# KiCad board sswkbd_wiring.kicad_pcb (continued)
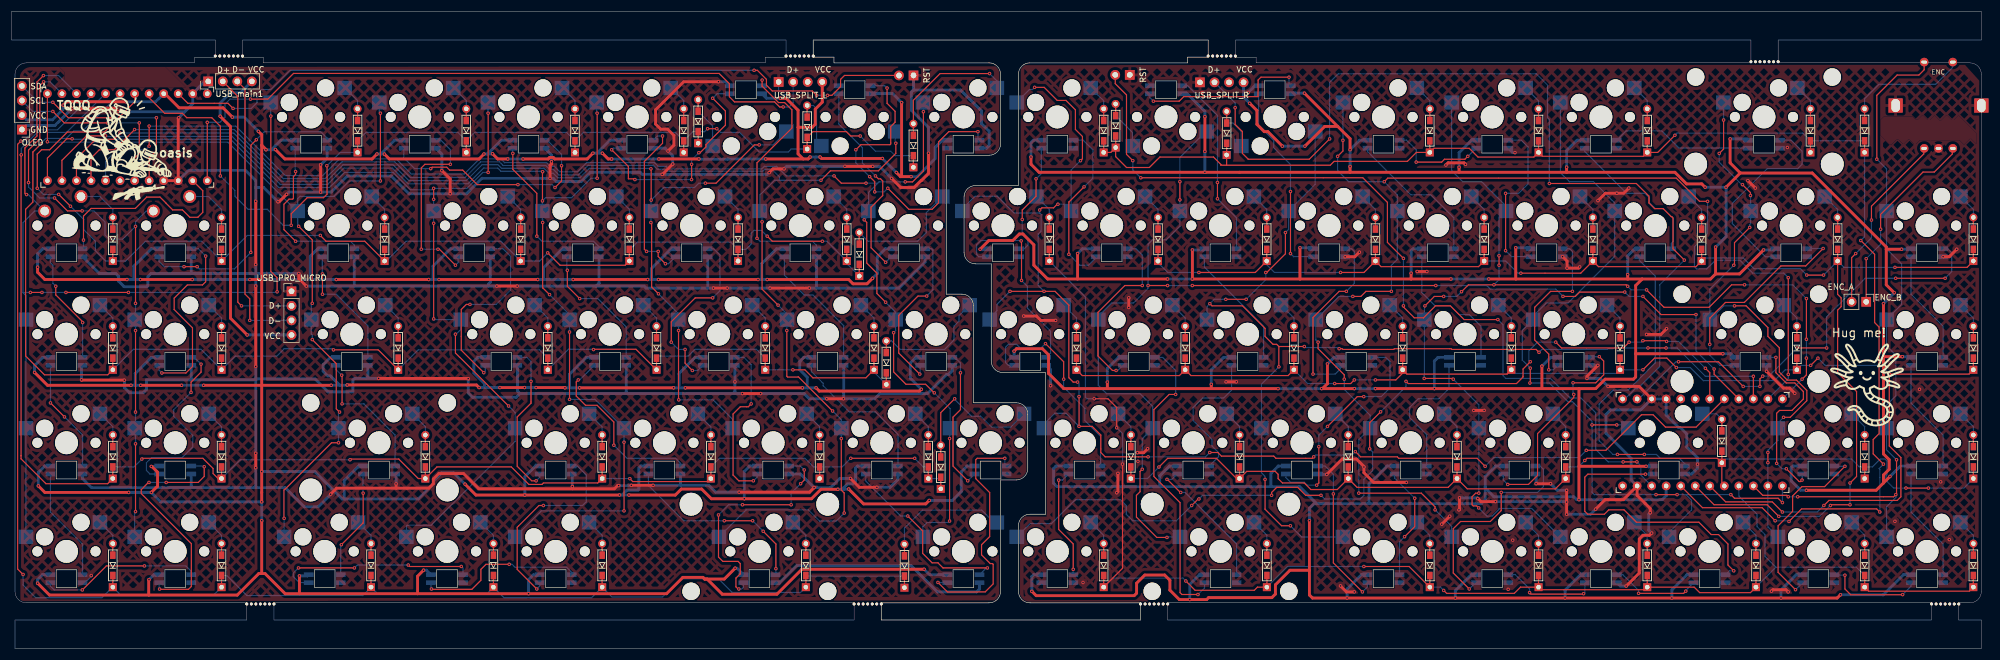
[diagram p0: board, top side]
## Routing (per net, layer and track width the routed paths; a pad name or vN(x,y) marks a point on that pad's centre or on a via; arc(x,y) is an arc through that point) (continued)
col4: length 210
  Top w0.2: v1(92.84,74.53) 92.84,63.1 92.86,63.1 v1(94.04,61.92) ; v1(107.06,24.09) 107.06,36.15 ; v1(92.84,83.42) 92.81,83.39 v1(92.81,78.31) ; 102.36,82.23 v1(102.36,93.66) ; v1(16.45,89.69) 13.1,89.69 8.83,85.41 U1.11 ; v1(97.54,43.59) 97.54,55.41
  Bottom w0.2: v1(92.84,74.53) 92.84,75.04 92.78,75.09 92.78,78.29 v1(92.81,78.31) 93.37,78.87 97.89,78.87 101.3,82.28 v1(102.36,82.28) ; v1(107.06,36.1) 107.06,36.1 107.06,38.51 101.98,43.59 v1(97.54,43.59) ; v1(94.04,61.92) 97.53,58.43 97.53,55.89 97.54,55.89 v1(97.54,55.38) ; v1(16.45,89.69) 16.54,89.6 38.58,89.6 44.11,84.07 44.12,84.07 46.98,81.21 55.28,81.21 58.13,84.06 66.58,84.06 69.33,81.31 79.83,81.31 80.03,81.51 80.03,81.56 82.53,84.06 84.98,84.06 85.54,83.5 92.76,83.5 v1(92.84,83.42) ; 88.06,19.51 88.06,19.54 92.61,24.09 v1(107.06,24.09) ; v1(102.36,93.66) 102.28,93.74 SW4.1
col5: length 198.4
  Top w0.2: v1(130.68,88.11) 129.83,88.11 123.13,81.42 v1(121.29,81.42) ; v1(116.63,43.51) 116.59,43.55 116.59,55.66 ; v1(111.76,83.93) 111.81,83.88 v1(111.81,78.46) ; v1(111.76,74.53) 111.89,74.41 111.89,63.23 111.91,63.23 v1(113.08,62.06) ; U1.10 11.37,85.73 14.72,89.09 17.88,89.09 v1(18.98,90.2)
  Bottom w0.2: v1(121.29,81.42) 120.14,81.42 119.38,80.65 114.01,80.65 v1(111.81,78.46) 111.78,78.43 111.78,74.56 v1(111.76,74.53) ; v1(111.76,83.93) 111.68,84.01 100.98,84.01 99.33,82.36 95.48,82.36 94.68,83.16 93.95,83.16 93.09,84.02 85.67,84.02 85.05,84.64 82.26,84.64 79.48,81.86 69.48,81.86 66.69,84.64 57.98,84.64 55.09,81.76 47.18,81.76 44.32,84.61 44.32,84.7 38.83,90.2 v1(18.98,90.2) ; 135.48,90.46 SW5.1 133.11,88.11 v1(130.68,88.11) ; v1(116.63,43.51) 122.64,43.51 126.03,40.12 SW54.1 ; v1(116.59,55.63) 116.59,57.51 116.56,57.54 116.56,58.58 v1(113.08,62.06)
col6: length 255.7
  Top w0.2: 145.54,27.21 145.03,27.72 v1(145.03,36.74) ; v1(141.48,81.92) 143.13,83.57 151.51,83.57 154.56,86.62 v1(154.56,88.4) ; v1(135.51,55.63) 135.51,47.63 135.64,47.51 137.54,47.51 ; v1(133.99,60.08) 131.19,62.87 ; U1.9 13.91,85.81 15.36,87.26 17.99,87.26 v1(21.52,90.8) ; 131.19,62.85 v1(131.19,74.66) ; v1(145.54,23.71) 145.54,27.26 ; 137.54,47.53 v1(143.51,41.56)
  Bottom w0.2: v1(145.54,23.71) 144.14,22.31 141.22,22.31 139.27,24.27 128.38,24.27 123.66,19.54 123.66,19.51 ; v1(143.51,41.56) 145.03,40.04 v1(145.03,36.74) ; SW6.1 154.45,88.51 v1(154.56,88.4) ; 134.24,81.92 133.38,81.92 130.81,79.36 130.81,76.56 131.19,76.18 v1(131.19,74.66) ; 134.24,81.92 v1(141.48,81.92) ; 134.24,81.92 134.23,81.93 134.23,82.51 132.88,83.86 131.68,83.86 131.33,83.51 114.48,83.51 114.28,83.71 114.28,83.86 112.88,83.86 112.2,84.53 112.2,84.53 100.78,84.53 99.11,82.86 95.68,82.86 94.68,83.86 94.03,83.86 93.38,84.51 85.92,84.51 85.28,85.15 82.02,85.15 79.28,82.41 69.72,82.41 66.98,85.15 57.77,85.15 54.83,82.21 47.52,82.21 38.93,90.8 v1(21.52,90.8) ; v1(135.51,55.63) 135.51,58.56 v1(133.99,60.08)
col7: length 250.1
  Top w0.2: v1(149.03,75) 149.48,74.56 149.48,67.45 151.26,65.67 151.26,62.11 v1(152.78,60.59) ; 161.29,44.71 159.77,46.24 156.34,46.24 154.18,48.4 v1(154.18,55.25) ; 159.38,83.55 157.48,81.64 v1(156.21,81.64) ; 159.38,83.5 v1(159.38,93.91) ; v1(24.06,91.4) v1(24.06,87.89) ; v1(149.35,81.42) 145.03,81.42 v1(143.76,82.69) ; v1(163.96,22.31) 163.96,36.79
  Bottom w0.2: v1(149.03,75) 149.78,75.75 SW23.1 149.81,76.56 149.81,79.82 151.4,81.4 ; v1(154.18,55.25) 154.53,55.61 154.53,58.84 v1(152.78,60.59) ; v1(159.38,93.91) 159.38,95.46 159.31,95.54 159.31,95.56 ; 151.4,81.4 149.36,81.4 v1(149.35,81.42) ; 151.4,81.4 151.64,81.64 v1(156.21,81.64) ; v1(24.06,91.4) 39.19,91.4 47.83,82.76 54.33,82.76 54.38,82.71 57.33,85.66 67.23,85.66 69.88,83.01 79.13,83.01 81.78,85.66 85.53,85.66 86.18,85.01 93.53,85.01 94.18,84.36 94.88,84.36 95.83,83.41 98.93,83.41 100.53,85.01 112.38,85.01 113.03,84.36 114.53,84.36 114.53,84.18 114.79,83.91 131.13,83.91 131.58,84.36 133.73,84.36 135.4,82.69 v1(143.76,82.69) ; v1(163.96,22.31) 163.7,22.05 160.02,22.05 159.28,21.32 SW71.1 ; v1(163.96,36.74) 163.96,38.41 164.06,38.51 164.06,41.97 v1(161.29,44.74) ; v1(24.06,87.89) 23.43,87.26 18.48,87.26 16.45,85.23 U1.8
col_r_0: length 159.3
  Top w0.2: v1(206.27,25.03) 207.41,26.17 v1(207.54,26.17) ; v1(296.06,49.03) 296.82,48.27 U2.7 ; v1(243.73,46.74) 244.11,46.36 263.04,46.36 264.18,47.51 264.18,48.9 v1(265.45,50.17) ; v1(239.29,41.41) 237.38,39.51 v1(237.38,34.93) ; v1(285.13,53.86) 289.15,53.86 v1(289.28,53.73) ; v1(228.87,26.81) 226.21,26.81 224.81,28.2 221.13,28.2 220.24,27.31 v1(220.24,26.81) ; v1(282.72,53.6) 281.7,52.59 270.91,52.59 v1(269.89,53.6)
  Bottom w0.2: v1(239.29,41.41) 243.73,45.86 v1(243.73,46.74) ; v1(207.54,26.17) 208.17,26.81 v1(220.24,26.81) ; v1(228.87,26.81) 229.51,26.17 235.73,26.17 236.37,26.81 236.37,29.6 237.89,31.12 237.89,34.43 v1(237.38,34.93) ; v1(282.72,53.6) 284.88,53.6 v1(285.13,53.86) ; 176.08,19.51 176.08,19.91 178.02,21.85 181.76,21.85 185.95,26.04 193.82,26.04 194.84,25.03 194.84,23.5 195.98,22.36 203.6,22.36 v1(206.27,25.03) ; v1(296.06,49.03) 291.36,53.73 v1(289.28,53.73) ; v1(265.45,50.17) 265.19,50.43 265.19,52.08 266.72,53.6 v1(269.89,53.6)
col_r_1: length 243.3
  Top w0.2: v1(178.82,98.18) 180.49,98.18 182.77,95.89 184.3,95.89 185.95,94.24 185.95,90.81 187.18,89.58 187.18,85.69 v1(186.84,85.35) ; U2.8 294.43,38.74 289.07,38.74 286.91,40.9 284.88,40.9 278.66,34.68 v1(275.23,34.68) ; v1(174.52,62.49) 182.39,62.49 184.8,60.08 184.8,47.38 185.57,46.62 v1(186.33,46.62) ; v1(198.65,33.54) 191.15,33.54 190.39,34.3 190.39,37.35 188.87,38.87 v1(186.58,38.87) v1(186.58,44.08) ; v1(234.88,34.46) 235.8,33.54 242.21,33.54 242.46,33.28 256.16,33.28 v1(257.56,31.89) ; v1(182.9,77.73) 182.77,77.73 182.14,77.1 180.09,77.1 v1(179.7,76.72) ; v1(209.44,34.3) 210.84,34.3 211.47,33.66 220.62,33.66 221,33.28 227.35,33.28 v1(227.6,33.54)
  Bottom w0.2: v1(186.58,38.87) 184.3,41.16 182.34,41.16 180.78,39.59 180.78,38.51 ; 179.7,76.21 179.96,75.95 179.96,73.03 179.45,72.53 179.45,63.51 v1(180.47,62.49) ; 179.7,76.21 179.69,76.19 175.23,76.19 172.29,79.13 168.42,79.13 166.53,77.24 166.53,76.56 ; 179.7,76.21 v1(179.7,76.72) ; v1(186.84,85.35) 185.21,83.72 SW25.1 184.01,77.73 v1(182.9,77.73) ; v1(198.65,33.54) 208.68,33.54 v1(209.44,34.3) ; v1(186.58,44.08) 186.58,46.36 v1(186.33,46.62) ; v1(178.82,98.18) 178.44,97.8 177.93,97.8 176.09,95.96 ; 171.28,57.54 171.28,58.14 172.23,59.09 172.23,60.21 v1(174.52,62.49) ; 299.36,43.19 U2.8 ; v1(257.56,31.89) 259.08,33.41 273.96,33.41 v1(275.23,34.68) ; v1(234.88,34.46) 234.28,33.86 227.93,33.86 v1(227.6,33.54)
col_r_2: length 213.2
  Top w0.2: v1(281.96,62.37) 274.08,62.37 273.32,61.6 v1(271.16,61.6) ; v1(285.13,61.6) 288.31,58.43 v1(294.4,58.43) ; v1(206.38,63.51) v1(248.94,63.51) ; U2.9 297.58,47.99 v1(297.58,48.9) ; v1(197.63,31.38) 197.25,31 197.25,27.44 196.62,26.81 196.62,23 200.17,19.44 v1(201.95,19.44) ; v1(198.65,63.51) v1(202.06,63.51) ; v1(204.21,81.67) v1(204.21,78.49)
  Bottom w0.2: v1(281.96,62.37) 282.72,61.6 v1(285.13,61.6) 285.01,61.6 ; v1(248.94,63.51) 257.83,63.51 258.46,62.87 269.89,62.87 v1(271.16,61.6) ; v1(204.21,81.67) 204.21,85.91 208.75,90.46 208.85,90.46 208.85,90.48 ; v1(297.58,48.9) 294.4,52.08 v1(294.4,58.43) ; v1(206.38,63.51) v1(202.06,63.51) ; v1(197.63,31.38) 197.63,36.69 199.46,38.51 199.46,42.38 197.25,44.59 191.41,44.59 189.96,46.04 SW42.1 189.96,58.12 192.3,60.46 196.11,60.46 198.65,63 v1(198.65,63.51) 198.65,70.75 199.41,71.51 201.82,71.51 204.21,73.89 v1(204.21,78.49) ; v1(201.95,19.44) 202.05,19.54 SW73.1
col_r_3: length 195.5
  Top w0.2: 221.51,52.84 221.13,53.22 220.49,53.22 219.09,54.62 219.09,56.02 215.16,59.95 209.82,59.95 v1(209.44,60.33) ; 221.51,52.84 v1(225.95,52.84) ; 221.51,52.84 v1(221.51,49.28) ; v1(219.22,65.79) 219.38,65.79 222.65,69.06 v1(222.65,72.78) ; v1(212.24,61.1) v1(215.79,61.1) ; v1(266.97,51.82) 266.46,52.33 251.73,52.33 251.61,52.46 241.7,52.46 241.57,52.33 232.68,52.33 232.56,52.46 v1(232.05,52.46) ; v1(223.53,21.48) 221.99,21.48 219.09,24.37 v1(219.09,29.6) ; v1(286.02,52.59) v1(289.18,52.59) ; v1(304.44,47.63) U2.10
  Bottom w0.2: 232.68,19.54 232.69,19.54 SW74.1 232.68,19.51 225.5,19.51 v1(223.53,21.48) ; v1(222.65,72.78) 223.21,73.34 223.21,76.56 227.85,81.21 227.85,90.46 ; v1(212.24,61.1) 210.2,61.1 v1(209.44,60.33) 208.96,59.85 SW43.1 ; v1(286.02,52.59) 280.05,52.59 279.93,52.46 279.04,52.46 278.91,52.33 267.48,52.33 v1(266.97,51.82) ; v1(232.05,52.46) 231.85,52.66 226.14,52.66 v1(225.95,52.84) ; v1(219.09,29.6) 219.09,30.11 218.46,30.75 218.46,46.23 v1(221.51,49.28) ; v1(304.44,47.63) 296.06,47.63 291.1,52.59 v1(289.18,52.59) ; v1(219.22,65.79) 219.22,64.52 v1(215.79,61.1)
col_r_4: length 225
  Top w0.2: v1(234.44,61.6) 235.84,61.6 236.73,62.49 v1(241.17,62.49) ; v1(239.92,81.67) 240.56,82.3 290.96,82.3 295.02,78.24 v1(296.44,78.24) ; v1(232.71,88.91) 232.71,87.05 v1(231.77,86.11) ; v1(310.53,64.89) v1(310.53,47.96) ; v1(235.48,27.19) 246.4,27.19 248.81,24.77 v1(248.81,24.27) ; v1(228.37,53.6) 228.37,52.46 232.94,47.89 v1(232.94,47.13)
  Bottom w0.2: v1(232.71,88.91) SW11.1 ; v1(228.37,53.6) 227.96,54.01 SW44.1 232.02,61.6 v1(234.44,61.6) ; 251.71,19.51 251.71,21.37 v1(248.81,24.27) ; v1(296.44,78.24) 296.44,72.6 294.13,70.3 294.13,66.81 294.51,66.43 296.29,66.43 297.8,67.93 302.06,67.93 304.33,65.67 309.75,65.67 v1(310.53,64.89) ; U2.11 310.53,47.23 v1(310.53,47.96) ; v1(235.48,27.19) 235.48,36.54 237.46,38.51 237.46,40.81 232.94,45.33 v1(232.94,47.13) ; v1(241.17,62.49) 241.17,67.05 242.21,68.08 242.21,79.39 v1(239.92,81.67) 233.7,81.67 231.77,83.59 v1(231.77,86.11)
col_r_5: length 192.8
  Top w0.2: v1(285.77,62.75) 288.82,59.7 296.69,59.7 300.63,63.64 v1(302.89,63.64) ; v1(253.43,62.43) 254.63,63.64 v1(259.1,63.64) 282.21,63.64 v1(282.47,63.38) ; v1(313.71,61.22) v1(313.71,54.11) ; v1(313.71,50.81) 313.71,47.89 v1(312.95,47.13) ; v1(250.32,61.6) 248.69,61.6 v1(247.03,59.95) ; v1(246.91,47.25) 251.86,47.25 v1(251.99,47.13) ; v1(256.43,24.6) 256.07,24.96 255.48,24.96 255.28,25.16 255.28,26.56 255.9,27.19 v1(256.46,27.19) ; v1(259.99,67.06) v1(259.99,68.72)
  Bottom w0.2: v1(259.99,67.06) 259.99,64.52 v1(259.1,63.64) ; v1(302.89,63.64) 311.3,63.64 v1(313.71,61.22) ; v1(246.91,47.25) 246.91,47.76 246.96,47.81 SW45.1 246.96,59.87 v1(247.03,59.95) ; v1(313.71,54.11) v1(313.71,50.81) ; v1(259.99,68.72) 259.99,75.35 261.21,76.56 261.21,77.4 256.94,81.67 253.64,81.67 251.71,83.6 251.71,95.56 ; v1(256.43,24.6) 257.87,23.16 258.78,23.16 259.98,24.36 259.98,24.52 265.7,24.52 270.68,19.54 SW76.1 ; v1(285.77,62.75) 283.1,62.75 v1(282.47,63.38) ; v1(251.99,47.13) 256.46,42.66 v1(256.46,27.19) ; v1(250.32,61.6) 252.6,61.6 v1(253.43,62.43) ; U2.12 312.95,47.1 v1(312.95,47.13) ; 270.71,19.51 270.71,20.38
col_r_6: length 144.1
  Top w0.2: v1(291.1,26.93) v1(287.42,26.93) ; v1(309.52,25.54) 308.76,26.3 301.14,26.3 v1(300.5,26.93) ; v1(276.24,39.12) v1(280.56,39.12) ; v1(265.45,49.06) 265.45,46.53 v1(265.38,46.46)
  Bottom w0.2: 289.71,19.51 289.71,20.33 293.64,24.27 293.64,25.92 292.63,26.93 ; 282.61,38.54 SW62.1 282,39.12 v1(280.56,39.12) ; v1(309.52,25.54) U2.13 ; 292.63,26.93 v1(300.5,26.93) ; 292.63,26.93 v1(291.1,26.93) ; v1(287.42,26.93) 276.62,26.93 276.24,27.31 v1(276.24,39.12) 276.24,39.76 272.81,43.19 272.03,43.19 268.76,46.46 v1(265.38,46.46) ; v1(265.45,49.06) 264.05,50.46 264.05,55.64 SW46.1 265.96,58.17 268.24,60.46 272.05,60.46 280.21,68.61 280.21,77.96 276.5,81.67 272.31,81.67 270.71,83.27 270.71,95.56
col_r_7: length 100.9
  Top w0.2: v1(298.47,86.62) 299.23,87.38 v1(299.23,92.46) ; v1(301.01,67.06) 301.14,67.19 301.14,71 v1(303.8,73.67) ; v1(303.93,79.26) 303.93,79.76 v1(302.53,81.16) ; v1(301.14,59.95) 303.17,59.95 306.98,56.14 306.98,54.62 308.97,52.62 308.97,48.36 310.38,46.96 311.98,46.96 313.78,45.16 313.78,43.36 310.88,40.46 v1(309.71,40.46) ; v1(306.98,32.52) v1(306.98,34.3)
  Bottom w0.2: v1(309.71,40.46) 308.71,39.46 308.71,36.41 306.98,34.68 v1(306.98,34.3) ; v1(303.8,73.67) 303.8,74.18 303.96,74.33 303.96,79.23 v1(303.93,79.26) ; v1(301.14,59.95) 299.27,59.95 296.86,57.54 296.83,57.54 296.83,62.89 v1(301.01,67.06) ; v1(306.98,32.52) U2.14 306.98,21.27 SW78.1 ; v1(302.53,81.16) 302.41,81.16 298.47,85.1 v1(298.47,86.62) ; v1(299.23,92.46) 299.23,95.54
col_r_8: length 119.9
  Top w0.2: v1(312.19,26.55) 328.95,26.55 v1(329.33,26.93) 329.46,27.06 v1(329.46,33.03) ; v1(310.53,26.55) 310.28,26.81 306.08,26.81 U2.15 ; v1(326.01,85.61) 326.01,96.78 329.56,100.34 333.38,100.34 334.29,101.25 334.29,102.16
  Bottom w0.2: v1(326.01,85.61) 327.71,83.91 327.71,69.94 330.35,67.3 330.35,60.18 SW48.1 327.71,52.94 328.57,52.08 328.61,52.08 329.33,51.36 329.33,44.2 327.71,42.58 327.71,34.78 v1(329.46,33.03) ; 327.71,19.51 327.71,24.8 329.33,26.42 v1(329.33,26.93) ; v1(310.53,26.55) v1(312.19,26.55)
LED_L: length 36.1
  Top w0.2: v1(12.59,71.46) 12.59,75.66 13.93,77 21.65,77 23.63,78.98 25.97,78.98 27.06,77.89 27.06,77.86 28.18,76.74 29.88,76.74 31.18,75.45 32.57,75.45 33.44,76.31 33.44,80.1 U1.2
  Bottom w0.2: 12.42,69.96 LED1.4 12.59,70.11 v1(12.59,71.46)
LED_R: length 76.9
  Top w0.2: v1(305.58,45.86) 305.58,47.16 v1(306.08,47.66) ; v1(302.66,45.86) 298.34,50.17 v1(291.36,50.17) ; v1(337.95,64.78) v1(329.31,64.78) ; v1(317.25,52.59) v1(312.06,52.59)
  Bottom w0.2: v1(317.25,52.59) 317.25,58.05 323.98,64.78 v1(329.31,64.78) ; 337.59,69.96 337.62,69.94 338.42,69.94 339.11,69.24 339.11,65.94 v1(337.95,64.78) ; U2.2 284.39,43.67 290.89,50.17 v1(291.36,50.17) ; v1(306.08,47.66) 307.13,47.66 v1(312.06,52.59) ; v1(305.58,45.86) v1(302.66,45.86)
OLED_SCL: length 32.6
  Top w0.2: U1.6 21.52,85.81 22.34,86.62 v1(22.34,91.96) ; v1(16.8,91.96) 9.24,91.96 v1(7.24,93.96)
  Bottom w0.2: v1(7.24,93.96) 3.75,93.96 OLED.3 ; v1(16.8,91.96) v1(22.34,91.96)
OLED_SDA: length 37.4
  Top w0.2: U1.5 24.06,85.81 25.34,87.08 v1(25.34,92.86) ; v1(7.24,95.56) 9.94,92.86 v1(17.61,92.86)
  Bottom w0.2: v1(25.34,92.86) v1(17.61,92.86) ; OLED.4 1.85,98.42 4.71,95.56 v1(7.24,95.56)
row0: length 196.2
  Top w0.2: v1(123.28,90.94) v1(121.67,90.94) ; D6.1 D6.1 140.08,90.43 145.92,90.43 146.69,89.67 v1(148.34,89.67) ; D1.1 D1.1 ; D4.1 D4.1 ; D7.1 D7.1 ; v1(55.12,84.46) 55.16,84.42 55.16,79.5 54.54,78.88 51.69,78.88 48.89,76.08 v1(48.89,74.05) ; v1(36.51,82.69) 36.51,91.37 35.01,92.87 30.64,92.87 29.88,93.63 26.78,93.63 24.06,96.35 U1.20 ; D2.1 D2.1 ; D3.1 D3.1 ; D5.1 120.02,90.44
  Bottom w0.2: D2.1 80.97,90.31 97.01,90.31 D3.1 ; D2.1 78.01,90.31 61.97,90.31 D1.1 D1.1 57.45,86.8 v1(55.12,84.46) ; D2.1 D2.1 ; 120.02,90.44 119.1,90.44 D4.1 ; 120.02,90.44 120.9,90.44 120.9,90.43 121.16,90.43 v1(121.67,90.94) ; 120.02,90.44 D5.1 ; D7.1 D7.1 ; D7.1 154.44,86.23 153.67,87 151,87 v1(148.34,89.67) ; D7.1 157.63,86.69 ; v1(123.28,90.94) 123.91,90.31 127.25,90.31 130.68,86.88 135.76,86.88 136.27,87.38 D6.1 D6.1 ; D4.1 116.01,90.31 99.97,90.31 D3.1 ; D4.1 D4.1 ; v1(48.89,74.05) 47.5,74.05 44.7,76.84 41.34,76.84 39.05,79.13 39.05,80.15 v1(36.51,82.69) ; D3.1 D3.1
row1: length 230.1
  Top w0.2: D18.1 D18.1 61.75,71.26 54.99,71.26 v1(53.97,72.27) ; D17.1 D17.1 ; D22.1 D22.1 ; v1(8.25,79.45) v1(10.32,77.38) ; v1(4.51,80.53) 4.51,86.5 5.27,87.26 6.67,87.26 9.76,90.36 16.24,90.36 21.52,95.64 U1.19 ; v1(93.73,69.22) 95.89,67.06 107.26,67.06 D20.1 D20.1 ; v1(141.73,71.26) 132.97,71.26 v1(132.08,72.14) ; D19.1 D19.1 ; D16.1 D16.1 ; D23.1 D23.1 ; D21.1 D21.1
  Bottom w0.2: D21.1 D21.1 ; D21.1 128.37,69.83 129.29,70.75 129.29,72.65 129.79,73.16 131.06,73.16 v1(132.08,72.14) ; D21.1 125.71,71.11 109.39,71.11 108.11,69.83 D20.1 D20.1 ; D23.1 D23.1 145.99,67.35 D22.1 ; D16.1 D16.1 ; D16.1 19.97,67.8 23.43,71.26 33.25,71.26 D17.1 ; D16.1 16.48,67.8 14.67,69.6 14.67,71.26 12.63,73.29 12.63,75.07 v1(10.32,77.38) ; D17.1 D17.1 ; D17.1 36.73,67.8 41.21,72.27 v1(53.97,72.27) ; v1(93.73,69.22) 92.3,67.8 D19.1 ; v1(8.25,79.45) 5.59,79.45 v1(4.51,80.53) ; D19.1 85.53,71.26 68.96,71.26 65.5,67.8 D18.1 D18.1 ; D19.1 D19.1 ; v1(141.73,71.26) 142.53,71.26 D22.1 ; D22.1 D22.1
row2: length 255.3
  Top w0.2: D35.1 D35.1 64.1,52.26 v1(56.28,52.26) ; v1(5.24,88.36) 3.75,86.86 3.75,78.11 2.48,76.84 2.48,51.19 5.78,47.89 16.83,47.89 17.71,48.77 D33.1 D33.1 ; D40.1 D40.1 ; D34.1 D34.1 ; D37.1 D37.1 109.15,52.36 101.78,52.36 v1(101.73,52.31) ; D38.1 D38.1 ; D39.1 D39.1 149.33,47.36 140.08,47.36 138.68,48.76 v1(136.58,48.76) ; D36.1 D36.1
  Bottom w0.2: D35.1 D35.1 71.08,52.26 92.29,52.26 D36.1 D36.1 97.33,52.36 101.68,52.36 v1(101.73,52.31) ; D33.1 D33.1 21.3,52.36 33.13,52.36 D34.1 ; D34.1 39.1,51.16 46.38,51.16 47.68,52.46 56.08,52.46 v1(56.28,52.26) ; D34.1 D34.1 ; D39.1 D39.1 150.74,48.36 D40.1 D40.1 ; v1(136.58,48.76) 136.57,48.77 D38.1 D38.1 130.19,52.36 119.48,52.36 118.28,51.16 113.09,51.16 D37.1 D37.1 ; 18.98,97.1 18.98,97.09 12.43,90.53 10.88,90.53 9.6,89.25 6.04,89.25 5.24,88.46 v1(5.24,88.36)
row3: length 279.5
  Top w0.2: D54.1 D54.1 ; D50.1 D50.1 36.11,29.75 35.24,30.62 35.24,31.5 33.46,33.28 22.92,33.28 v1(22.8,33.16) ; D55.1 D55.1 ; D52.1 D52.1 102.46,28.97 92.96,28.97 92.71,28.71 90.42,28.71 87.35,31.78 74.37,31.78 D51.1 ; v1(59.18,33.03) 59.31,33.16 67.69,33.16 71.1,29.75 D51.1 ; D53.1 D53.1 121.71,29.22 108.58,29.22 v1(108.08,29.73) ; D51.1 D51.1 ; D49.1 D49.1 16.81,28.84 6.03,28.84 1.68,33.19 1.68,33.74 1.68,33.74 1.68,86.33 v1(1.71,86.37) ; D56.1 D56.1 ; v1(157.86,33.28) v1(146.69,33.28)
  Bottom w0.2: v1(22.8,33.16) 21.42,31.78 D49.1 D49.1 ; v1(108.08,29.73) 108.06,29.75 D52.1 D52.1 ; v1(146.69,33.28) 145.18,31.78 D54.1 ; D51.1 D51.1 ; D54.1 140.19,31.78 138.68,33.28 123.74,33.28 D53.1 D53.1 ; D54.1 D54.1 ; D50.1 D50.1 40,33.03 v1(59.18,33.03) ; v1(157.86,33.28) 159.36,31.78 D55.1 D55.1 162.1,29.75 162.32,29.97 D56.1 D56.1 ; U1.17 16.42,97.07 9.65,90.31 4.51,90.31 1.71,87.51 v1(1.71,86.37)
row4: length 288.3
  Top w0.2: D67.1 D67.1 ; D68.1 D68.1 ; D71.1 D71.1 ; D65.1 D65.1 ; D70.1 D70.1 ; v1(2.03,12.96) 1.08,13.92 1.08,88.21 v1(1.65,88.78) ; D66.1 D66.1 ; D69.1 D69.1
  Bottom w0.2: D68.1 D68.1 ; D68.1 83.03,9.53 64.05,9.53 D67.1 ; D68.1 86.09,8.9 101.39,8.9 D69.1 ; v1(2.03,12.96) 2.03,11.12 4.25,8.9 15.81,8.9 17.66,10.75 D65.1 ; D69.1 104.96,9.03 113.79,9.03 116.97,12.2 123.57,12.2 125.95,9.82 137.92,9.82 D70.1 D70.1 138.94,12.68 D71.1 D71.1 ; D69.1 D69.1 ; 13.91,96.62 8.04,90.76 4.14,90.76 2.16,88.78 v1(1.65,88.78) ; 13.91,96.62 13.91,97.3 ; 13.91,96.62 U1.16 ; D67.1 61.37,9.28 41.15,9.28 37.65,12.78 D66.1 D66.1 35.38,9.41 19.05,9.41 D65.1 ; D67.1 D67.1 ; D65.1 D65.1
row5: length 280.8
  Top w0.2: D9.1 192.12,86.8 D8.1 D8.1 ; D9.1 D9.1 ; D9.1 192.98,86.06 194.88,84.16 198.88,84.16 200.71,85.99 210.08,85.99 211.38,84.69 211.38,84.56 212.38,84.56 ; U2.20 295.54,24.65 305.96,24.65 v1(308.25,22.36) ; v1(290.72,89.8) 287.72,86.8 D13.1 ; D12.1 D12.1 ; D12.1 266.08,85.99 256.31,85.99 254.78,87.51 248.6,87.51 D11.1 ; D12.1 267.57,86.11 285.21,86.11 D13.1 ; D14.1 D14.1 ; v1(323.21,71.38) 325.63,68.97 325.63,57.03 326.41,56.25 326.41,37.6 325.37,36.57 325.37,34.06 v1(327.17,32.27) ; 212.38,84.56 D10.1 D10.1 ; 212.38,84.56 230.49,84.56 231.16,85.23 243.97,85.23 245.54,86.8 D11.1 ; D15.1 D15.1 ; D11.1 D11.1 ; D13.1 D13.1 ; v1(326.54,23.88) 325.99,24.43 312.85,24.43 v1(310.66,22.23)
  Bottom w0.2: v1(310.66,22.23) 310.53,22.36 v1(308.25,22.36) ; D13.1 D13.1 ; 323.86,88.83 D15.1 ; D15.1 D15.1 323.87,72.04 v1(323.21,71.38) ; D15.1 314.42,88.84 D14.1 ; D14.1 D14.1 ; D14.1 313.06,90.18 291.1,90.18 v1(290.72,89.8) ; v1(327.17,32.27) 326.41,31.5 326.54,31.38 v1(326.54,23.88) ; D11.1 D11.1 ; D8.1 D8.1 ; D10.1 D10.1 ; D9.1 D9.1 ; D12.1 D12.1
row6: length 260.8
  Top w0.2: D28.1 D28.1 256.4,66.81 239.37,66.81 D27.1 ; D30.1 D30.1 294.4,66.81 277.37,66.81 D29.1 ; v1(329.18,66.68) 341.78,66.68 D32.1 D32.1 ; D25.1 D25.1 ; v1(232.28,65.79) 236.39,65.79 D27.1 ; D26.1 D26.1 217.39,65.79 v1(207.54,65.79) ; v1(321.33,25.16) 318.03,25.16 v1(317.9,25.03) ; D29.1 274.26,65.67 v1(263.8,65.67) ; D29.1 D29.1 ; U2.19 297.57,25.16 306.85,25.16 v1(308.88,23.12) ; v1(313.77,65.34) v1(316.7,65.34) ; v1(321.33,28.97) 322.47,30.11 322.47,44.97 319.16,48.28 319.16,59.2 319.79,59.83 319.79,61.35 319.16,61.97 D31.1 D31.1 ; D27.1 D27.1
  Bottom w0.2: D28.1 D28.1 261.16,67.8 263.29,65.67 v1(263.8,65.67) ; v1(317.9,25.03) 316,23.12 v1(308.88,23.12) ; v1(232.28,65.79) 220.75,65.79 219.39,67.15 D26.1 D26.1 ; D31.1 v1(316.7,65.34) ; D31.1 D31.1 ; D31.1 320.27,66.68 v1(329.18,66.68) ; D32.1 D32.1 ; D30.1 D30.1 295.93,68.33 302.67,68.33 304.55,66.46 312.65,66.46 v1(313.77,65.34) ; D27.1 D27.1 ; v1(321.33,28.97) v1(321.33,25.16) ; v1(207.54,65.79) 202.08,65.79 200.39,67.48 D25.1 D25.1 ; D29.1 D29.1
row7: length 258.7
  Top w0.2: D48.1 D48.1 342.13,48.01 v1(328.19,48.01) 328.19,35.44 330.22,33.41 330.22,26.55 329.58,25.92 317.65,25.92 v1(316.76,25.03) ; D42.1 206.15,47.76 223.13,47.76 D43.1 D43.1 ; D42.1 D42.1 ; D42.1 204.13,47.76 187.15,47.76 D41.1 D41.1 ; D47.1 D47.1 ; v1(309.52,23.88) 307.74,25.66 299.6,25.66 U2.18 ; D44.1 243.14,48.18 241.95,47 v1(238.38,47) ; D44.1 243.89,48.01 261.38,48.01 D45.1 D45.1 ; D44.1 D44.1 ; v1(315.72,50.81) v1(314.45,49.54) ; v1(285.13,48.78) 287.17,50.81 289.33,50.81 v1(290.98,49.16) ; v1(231.27,46.36) 234.06,46.36 v1(234.7,47) ; D46.1 D46.1
  Bottom w0.2: D46.1 285.13,48.77 v1(285.13,48.78) ; D46.1 280.51,48.14 262.77,48.14 D45.1 D45.1 ; D46.1 D46.1 ; D47.1 312.81,49.54 v1(314.45,49.54) ; D47.1 D47.1 ; D47.1 310.02,48.77 308.12,46.87 295.68,46.87 293.39,49.16 v1(290.98,49.16) ; v1(231.27,46.36) 226.54,46.36 D43.1 D43.1 ; D41.1 D41.1 ; v1(234.7,47) v1(238.38,47) ; v1(328.19,48.01) 326.66,49.54 316.99,49.54 v1(315.72,50.81) ; D48.1 D48.1 ; D44.1 D44.1 ; v1(316.76,25.03) 315.61,23.88 v1(309.52,23.88) ; D42.1 D42.1
row8: length 200.2
  Top w0.2: D62.1 298.14,33.28 275.35,33.28 v1(274.97,32.9) ; D62.1 298.93,28.88 U2.17 ; D62.1 D62.1 ; D58.1 214.12,29.75 210.58,33.28 202.08,33.28 v1(200.55,31.76) ; D58.1 D58.1 ; D58.1 215.89,31 220.87,31 221.38,30.49 221.38,29.73 222.14,28.97 225.95,28.97 227.1,27.82 231.71,27.82 D59.1 ; D60.1 254.43,27.95 269.84,27.95 D61.1 D61.1 ; D60.1 D60.1 ; D60.1 251.1,28.2 235.18,28.2 D59.1 ; D64.1 D64.1 ; D59.1 D59.1 ; D63.1 D63.1 ; D57.1 D57.1 ; v1(335.03,28.08) v1(331.11,28.08)
  Bottom w0.2: D61.1 D61.1 273.85,31.78 v1(274.97,32.9) ; D59.1 D59.1 ; D58.1 D58.1 ; v1(331.11,28.08) 328.95,28.08 327.62,29.41 327.62,30.26 327.77,30.41 327.77,32.81 327.43,33.16 326.62,33.16 325.24,31.78 D63.1 ; D64.1 D64.1 341.22,28.08 v1(335.03,28.08) ; D57.1 D57.1 198.54,29.75 v1(200.55,31.76) ; D63.1 D63.1 ; D63.1 322.96,31.78 321.58,33.16 299.58,33.16 D62.1 D62.1 ; D60.1 D60.1
row9: length 281.5
  Top w0.2: D72.1 D72.1 194.18,14.04 v1(194.18,32.27) ; v1(193.17,38.62) 193.17,42.17 191.64,43.7 v1(189.23,43.7) ; D75.1 267.34,10.3 285.44,10.3 D76.1 ; D75.1 263.74,10.75 262.65,9.66 250.82,9.66 v1(250.32,10.17) ; D75.1 D75.1 ; D76.1 D76.1 ; D76.1 294.09,10.75 295.05,9.79 303.93,9.79 D77.1 D77.1 ; v1(205.25,11.82) 206.88,10.19 217.21,10.19 217.77,10.75 D73.1 D73.1 ; D79.1 D79.1 342.18,10.04 324.59,10.04 D78.1 D78.1 ; v1(236.37,14.36) 244.27,14.36 D74.1 D74.1 ; D24.1 D24.1
  Bottom w0.2: 308.38,14.23 322.43,14.23 D78.1 D78.1 ; 308.38,14.23 306.47,16.14 306.47,19.95 305.07,21.34 305.07,23.5 301.9,26.68 U2.16 ; 308.38,14.23 D77.1 D77.1 ; v1(250.32,10.17) 249.74,10.75 D74.1 D74.1 ; D73.1 D73.1 223.03,14.36 v1(236.37,14.36) ; D76.1 D76.1 ; D79.1 D79.1 ; v1(189.23,43.7) 187.96,43.7 187.71,43.95 187.71,61.48 D24.1 ; D75.1 D75.1 ; D24.1 D24.1 ; D24.1 181.39,67.18 ; D72.1 D72.1 192.47,12.33 204.74,12.33 v1(205.25,11.82) ; v1(193.17,38.62) 194.18,37.6 v1(194.18,32.27)
RST: length 135.5
  Top w0.2: v1(140.72,96.78) 139.95,97.54 132.97,97.54 131.95,98.56 131.95,99.58 130.37,101.16 v1(129.79,101.16) ; 29.15,97.07 30.83,95.39 37.85,95.39 v1(38.73,94.5) ; RST.2 145.59,100.26 144.91,99.58 144.91,98.31 143.38,96.78 v1(142.62,96.78)
  Bottom w0.2: v1(38.73,94.5) 41.91,94.5 42.93,95.51 42.93,97.04 43.69,97.8 45.34,97.8 48.7,101.16 v1(129.79,101.16) ; v1(140.72,96.78) v1(142.62,96.78) ; 29.15,97.1 29.15,97.3
RST_R: length 152.2
  Top w0.2: v1(259.78,57.56) 253.88,57.56 251.48,59.96 248.88,59.96 246.78,57.86 245.18,57.86 243.28,59.76 v1(243.28,59.95) ; v1(197.38,82.36) 236.18,82.36 240.48,78.06 240.48,71.06 v1(243.28,68.26) ; v1(281.68,32.66) v1(284.08,32.66) ; RST#2.2 192.91,98.82 194.88,96.86 194.88,86.46 v1(195.98,85.36)
  Bottom w0.2: v1(281.68,32.66) 279.08,32.66 276.88,34.86 276.88,41.26 274.31,43.82 272.41,43.82 268.98,47.26 261.18,47.26 260.68,47.76 260.68,56.66 v1(259.78,57.56) ; v1(197.38,82.36) 195.98,83.76 v1(195.98,85.36) ; v1(284.08,32.66) 284.78,31.96 284.78,30.33 U2.22 ; v1(243.28,59.95) v1(243.28,68.26)
SPLIT_L: length 125.2
  Top w0.2: v1(41.78,96.12) 44.81,96.12 49.3,100.62 123.67,100.62 125.48,98.81 125.48,96.53 126.36,95.64 133.38,95.64 134.27,94.75 v1(134.87,94.75) ; U1.1 v1(34.23,92.06)
  Bottom w0.2: v1(41.78,96.12) 38.2,96.12 37.34,95.26 37.34,92.97 36.42,92.06 v1(34.23,92.06) ; v1(134.87,94.75) 135.89,94.75 136.62,95.49 USB_SPLIT_L.2
SPLIT_R: length 160.6
  Top w0.2: v1(268.78,81.36) 283.98,81.36 286.18,79.16 286.18,77.96 287.18,76.96 288.68,76.96 290.08,75.56 290.18,75.56 290.38,75.36 290.38,69.96 v1(292.38,67.96) ; v1(230.38,89.16) 226.82,85.61 216.15,85.61 215.14,86.62 215.14,90.43 213.87,91.7 v1(213.87,94.62)